# Altium PCB Flow_Pump.PcbDoc (part 2 of 5)
Units mm, origin at the board's own origin, x right, y up, seen from the top; angles counter-clockwise.
Board outline 203 x 203 mm, 2 copper layers (Top Layer, Bottom Layer); 250 components, 181 nets, 863 pads, 3284 vias.
Unrouted connection lines stored in the file: 1.
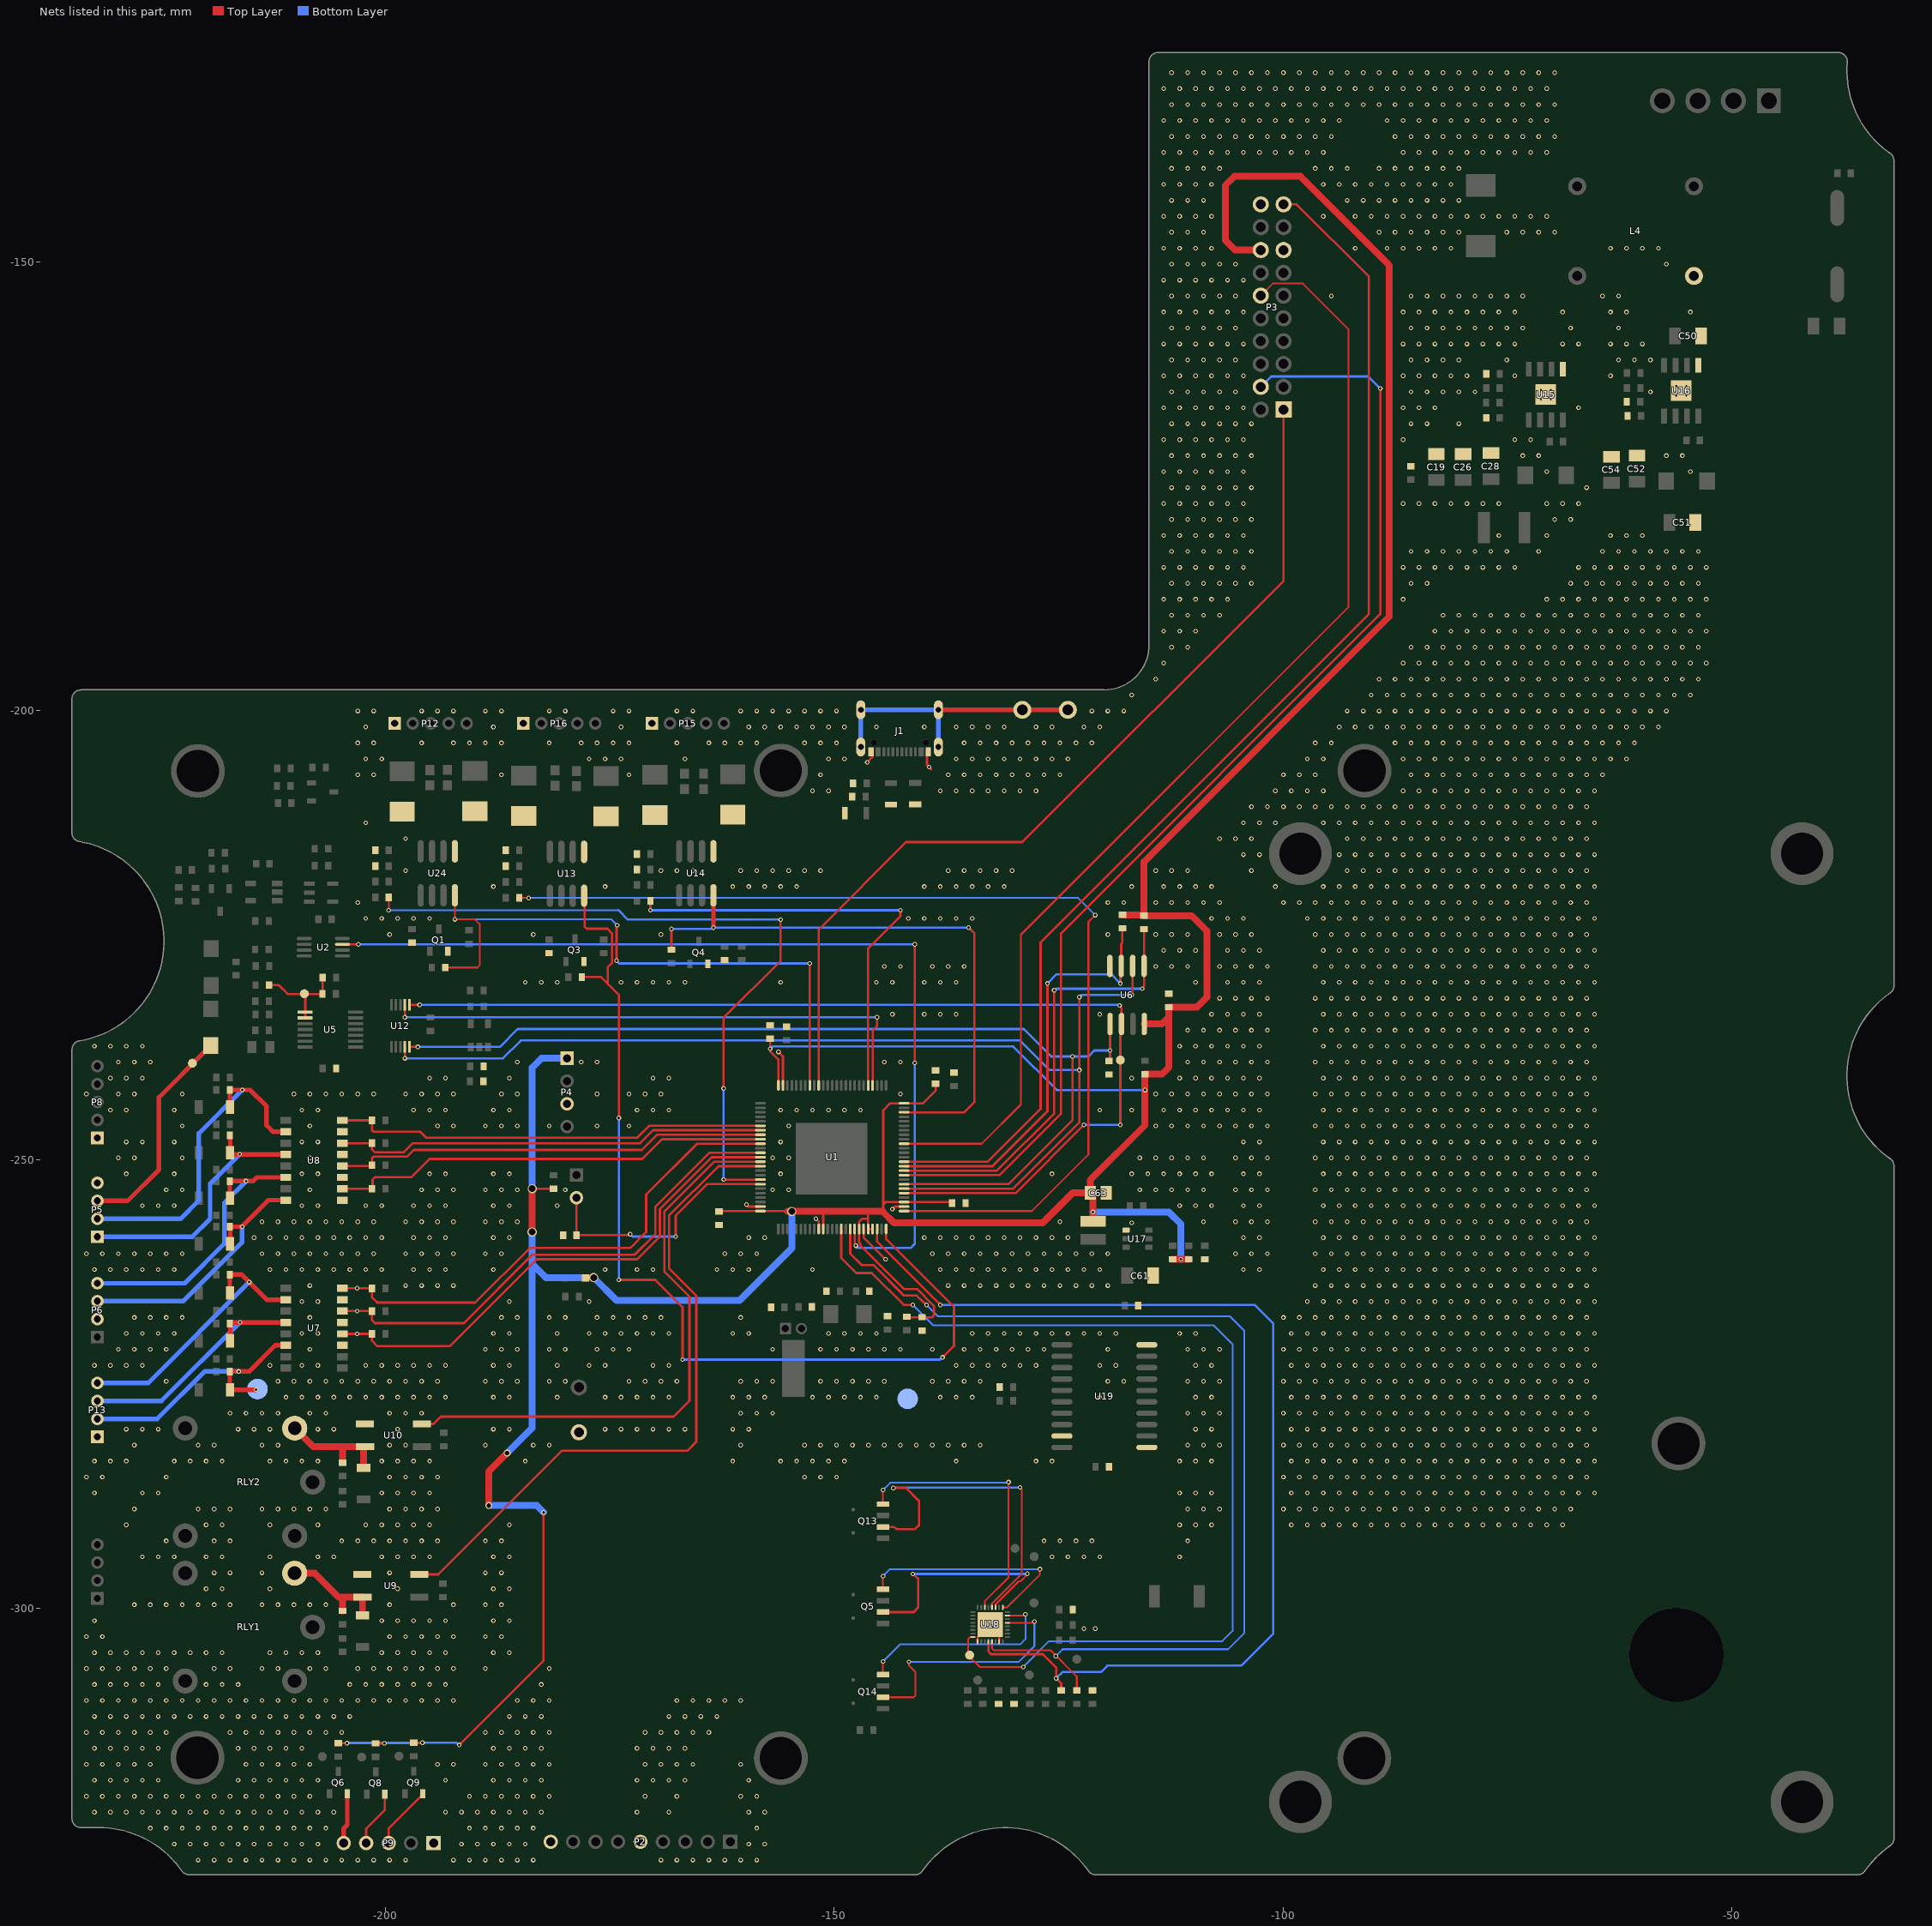
[diagram p2: the nets of this part, all layers, seen from the top]

## Via types
v1: diameter 0.508, hole 0.305, Top Layer to Bottom Layer, tented both sides, 3107 vias
v2: diameter 0.508, hole 0.305, Top Layer to Bottom Layer, 79 vias
v3: diameter 1.016, hole 0.508, Top Layer to Bottom Layer, tented both sides, 73 vias
v4: diameter 1.016, hole 0.762, Top Layer to Bottom Layer, 11 vias
v5: diameter 0.5, hole 0.2, Top Layer to Bottom Layer, 8 vias
v6: diameter 2.032, hole 1.524, Top Layer to Bottom Layer, 3 vias
v7: diameter 0.762, hole 0.508, Top Layer to Bottom Layer, tented both sides, 2 vias
v8: diameter 1.524, hole 1.016, Top Layer to Bottom Layer, 1 vias

## Nets (pads, with @x,y where several pads share a name; then routed paths per layer and width w, separated by ;. In a path a pad name is that pad's centre, name@x,y a point inside that pad or via, vN(x,y) a via of type N, cw(c..) or ccw(c..) an arc to the next point about the centre after c; other vN are vias at no path point) (continued)
+3.3v: C7.1 C8.2 C9.2 C10.2 C11.2 C22.2 C62.1 C63.1 D1.1 L3.2 P3.16 P4.1 R2.1 R10.1 R11.1 R24.1 R38.1 R39.1 R55.2 R69.1 R70.1 U1.11 U1.19 U1.21 U1.22 U1.28 U1.50 U1.75 U1.100 U6.8 | length 476.8
  Top Layer w0.254: R24.1@-205.232,-315.015 v2(-204.271,-315.015) ; R38.1@-201.067,-315.042 v2(-200.106,-315.042) ; R39.1@-196.825,-314.966 v2(-195.864,-314.966) ; v2(-191.77,-315.214) -182.372,-305.816 v1(-182.372,-289.306) ; v4(-183.641,-253.239) R2.1@-181.254,-253.239 ; C7.1@-162.814,-255.778 -162.779,-255.743 -158.219,-255.743 U1.100@-158.21,-255.734 -155.238,-255.734 ; C10.2@-157.124,-236.526 v1(-157.124,-237.648) -157.124,-237.929 -156.21,-238.843 U1.75@-156.21,-241.734 ; -151.252,-255.778 -151.21,-255.82 U1.11@-151.21,-257.734 ; -146.227,-255.778 -146.21,-255.795 -146.21,-256.748 ; U1.22@-145.71,-257.734 U1.21@-146.21,-257.734 -146.21,-256.748 ; -144.593,-255.778 -144.526,-255.711 -144.526,-255.016 ; R69.1@-141.91,-267.513 -141.853,-267.569 -139.085,-267.569 -138.877,-267.362 -138.877,-266.296 -140.76,-264.414 -142.24,-264.414 -147.066,-259.588 -147.066,-259.378 -147.21,-259.234 U1.19@-147.21,-257.734 -147.21,-256.914 -146.895,-256.599 -146.359,-256.599 -146.21,-256.748 ; C9.2@-138.684,-241.554 -138.684,-242.316 -140.102,-243.734 U1.50@-142.21,-243.734 -143.745,-243.734 -144.526,-244.515 -144.526,-255.016 ; C8.2@-136.855,-254.838 -136.96,-254.734 U1.28@-142.21,-254.734 -144.244,-254.734 -144.526,-255.016
  Top Layer w0.762: v7(-188.468,-288.544) -188.468,-284.734 v7(-186.436,-282.702) ; v4(-183.642,-258.064) v4@-183.641,-253.24 ; D1.1@-177.716,-263.195 -177.697,-263.176 -176.816,-263.176 v4(-176.784,-263.144) ; v4@-155.194,-255.778 -151.252,-255.778 -146.227,-255.778 -144.593,-255.778 -143.323,-257.048 -126.746,-257.048 -123.402,-253.704 C63.1@-121.444,-253.704 -121.444,-252.254 -115.367,-246.177 R11.1@-115.367,-240.489 -113.489,-240.489 -112.725,-239.725 -112.725,-234.137 ; L3.2@-121.153,-256.895 C63.1@-121.153,-254.12 ; R70.1@-117.881,-222.731 -115.583,-222.731 -115.481,-222.833 R10.1@-115.468,-222.833 -115.468,-216.814 -88.138,-189.484 -88.138,-150.368 -98.044,-140.462 -105.41,-140.462 -106.426,-141.478 -106.426,-147.574 -105.334,-148.666 P3.16@-102.464,-148.666 ; R10.1@-115.455,-222.833 -110.161,-222.833 -109.728,-223.266 -108.458,-224.536 -108.458,-231.902 -109.577,-233.021 C22.2@-112.725,-233.021 -112.725,-234.137 ; U6.8@-115.443,-234.896 -113.484,-234.896 -112.725,-234.137 ; C62.1@-112.268,-261.112 v2(-111.379,-261.112) R55.2@-110.49,-261.112
  Bottom Layer w0.254: v2(-204.271,-315.015) -204.247,-314.991 -195.889,-314.991 v2(-195.864,-314.966) -192.087,-314.966 -191.839,-315.214 v2(-191.77,-315.214) ; v1(-157.124,-237.648) -157.091,-237.648 -156.849,-237.405 -130.037,-237.405 -125.194,-242.248 v1(-115.367,-242.248)
  Bottom Layer w0.762: v7(-188.468,-288.544) -183.134,-288.544 v1(-182.372,-289.306) ; v7(-186.436,-282.702) -183.642,-279.908 -183.642,-261.62 ; v4(-183.642,-258.064) -183.642,-261.62 ; v4@-183.642,-253.238 -183.642,-239.776 -182.575,-238.709 P4.1@-179.756,-238.709 ; v4(-154.708,-255.778) -154.708,-259.864 -160.528,-265.684 -174.244,-265.684 v4(-176.784,-263.144) -182.118,-263.144 -183.642,-261.62 ; v2(-121.153,-255.841) -113.347,-255.841 -113.346,-255.84 -112.714,-255.84 -111.379,-257.175 v2(-111.379,-261.112)
Adc_input: C23.2 C24.1 R21.2 T8.1 U5.1 U5.2 | length 11
  Top Layer w0.254: C23.2@-212.954,-230.559 -211.858,-230.559 -210.871,-231.546 T8.1@-208.686,-231.546 ; U5.2@-208.924,-234.209 U5.1@-208.924,-233.559 -208.924,-231.784 T8.1@-208.686,-231.546 ; R21.2@-206.985,-229.718 -206.985,-231.521 C24.1@-207.01,-231.546 T8.1@-208.686,-231.546
AI0: D6.1 P5.3 T7.1 | length 24.5
  Top Layer w0.508: P5.3@-232.08,-254.6 -228.717,-254.6 -225.222,-251.104 -225.222,-243.071 -220.127,-237.976 -220.052,-237.976 -219.456,-237.38 D6.1@-219.456,-237.305
BL: P3.4 U1.34 | length 130.2
  Top Layer w0.254: U1.34@-142.21,-251.734 -131.592,-251.734 -124.714,-244.856 -124.714,-224.79 -89.154,-189.23 v2(-89.154,-164.084)
  Bottom Layer w0.254: P3.4@-102.464,-163.906 -101.31,-162.752 -90.486,-162.752 v2(-89.154,-164.084)
BOOT0: P1.2 R3.1 U1.94 | length 28.6
  Top Layer w0.254: P1.2@-178.714,-254.254 -178.702,-254.267 -178.702,-258.406 R3.1@-178.689,-258.418 -172.889,-258.418 -172.789,-258.318 v2(-172.72,-258.318) ; v2(-167.64,-258.576) -167.64,-256.23 -164.143,-252.734 U1.94@-158.21,-252.734
  Bottom Layer w0.254: v2(-172.72,-258.318) -172.462,-258.576 v2(-167.64,-258.576)
CS: P3.1 U1.66 | length 104.3
  Top Layer w0.254: U1.66@-151.71,-241.734 -151.71,-224.354 -141.986,-214.63 -129.032,-214.63 -99.924,-185.522 P3.1@-99.924,-166.446
DC: P3.19 U1.37 | length 138.3
  Top Layer w0.254: U1.37@-142.21,-250.234 -132.886,-250.234 -127,-244.348 -127,-225.806 -90.424,-189.23 -90.424,-151.638 -98.476,-143.586 P3.19@-99.924,-143.586
DI_0: C31.2 D9.1 P5.2 U8.2 | length 37.8
  Top Layer w0.508: D9.1@-217.284,-244.145 -217.332,-244.097 C31.2@-217.332,-242.24 -215.062,-242.24 -213.233,-244.069 -213.233,-246.177 -212.508,-246.902 U8.2@-211.093,-246.902
  Bottom Layer w0.508: P5.2@-232.08,-256.6 -222.818,-256.6 -220.784,-254.566 -220.784,-247.098 v2(-215.925,-242.24)
DI_1: C33.2 D11.1 P5.1 U8.4 | length 30.2
  Top Layer w0.508: C33.2@-217.332,-247.32 -217.284,-247.368 D11.1@-217.284,-249.225 -217.284,-249.246 -217.088,-249.442 U8.4@-211.093,-249.442
  Bottom Layer w0.508: P5.1@-232.08,-258.6 -221.516,-258.6 -219.514,-256.598 -219.514,-252.687 v1(-216.23,-249.403)
DI_2: C35.2 D13.1 P6.4 U8.6 | length 32.3
  Top Layer w0.508: D13.1@-217.284,-254.305 -217.332,-254.257 C35.2@-217.332,-252.4 -214.732,-252.4 -214.314,-251.982 U8.6@-211.093,-251.982
  Bottom Layer w0.508: P6.4@-232.08,-263.776 -222.35,-263.776 -217.924,-259.35 -217.924,-254.805 v1(-215.519,-252.4)
DI_3: C37.2 D15.1 P6.3 U8.8 | length 30
  Top Layer w0.508: D15.1@-217.284,-259.385 -217.284,-257.528 C37.2@-217.332,-257.48 -215.976,-257.48 -213.018,-254.522 U8.8@-211.093,-254.522
  Bottom Layer w0.508: P6.3@-232.08,-265.776 -222.52,-265.776 -215.951,-259.207 v1(-215.951,-257.48)
DI_4: C36.2 D8.1 P13.4 U7.2 | length 31
  Top Layer w0.508: D8.1@-217.284,-264.846 -217.332,-264.798 C36.2@-217.332,-262.814 -216.002,-262.814 -213.208,-265.608 U7.2@-211.093,-265.608
  Bottom Layer w0.508: P13.4@-232.08,-274.888 -226.399,-274.888 v1(-215.163,-263.652)
DI_5: C34.2 D10.1 P13.3 U7.4 | length 27.8
  Top Layer w0.508: D10.1@-217.284,-270.18 -217.284,-268.323 C34.2@-217.332,-268.275 -217.332,-268.244 -217.236,-268.148 U7.4@-211.093,-268.148
  Bottom Layer w0.508: P13.3@-232.08,-276.888 -224.945,-276.888 v1(-216.179,-268.122)
DI_6: C32.2 D12.1 P13.2 U7.6 U28.1 | length 30.4
  Top Layer w0.508: v2@-214.376,-275.59 -214.427,-275.641 D12.1@-217.284,-275.641 -217.332,-275.593 C32.2@-217.332,-273.609 -215.163,-273.609 -212.242,-270.688 U7.6@-211.093,-270.688
  Bottom Layer w0.508: P13.2@-232.08,-278.888 -225.421,-278.888 -220.142,-273.609 v1(-216.332,-273.609)
  other v2: -214.401,-275.615
DI_IN0: R29.2 U1.81 U8.16 | length 48.6
  Top Layer w0.254: U8.16@-204.793,-245.632 -203.139,-245.632 R29.2@-201.484,-245.632 -201.484,-246.739 -201.335,-246.888 -196.141,-246.888 -195.463,-247.565 -171.951,-247.565 -170.62,-246.234 U1.81@-158.21,-246.234
DI_IN1: R33.2 U1.82 U8.14 | length 48.4
  Top Layer w0.254: U8.14@-204.793,-248.172 -203.139,-248.172 R33.2@-201.484,-248.172 -201.484,-248.858 -201.168,-249.174 -197.931,-249.174 -196.929,-248.172 -171.617,-248.172 -170.179,-246.734 U1.82@-158.21,-246.734
DI_IN2: R37.2 U1.83 U8.12 | length 48.5
  Top Layer w0.254: U8.12@-204.793,-250.712 -203.184,-250.712 -201.574,-250.712 R37.2@-201.484,-250.622 -201.484,-249.831 -201.335,-249.682 -197.581,-249.682 -196.819,-248.92 -171.419,-248.92 -169.733,-247.234 U1.83@-158.21,-247.234
DI_IN3: R41.2 U1.84 U8.10 | length 49.4
  Top Layer w0.254: U8.10@-204.793,-253.252 -203.139,-253.252 R41.2@-201.484,-253.252 -201.422,-253.19 -201.422,-252.222 -201.168,-251.968 -197.104,-251.968 -195.072,-249.936 -171.376,-249.936 -169.174,-247.734 U1.84@-158.21,-247.734
DI_IN4: R27.2 U1.85 U7.16 | length 57.6
  Top Layer w0.254: U7.16@-204.793,-264.338 v1(-203.139,-264.338) R27.2@-201.484,-264.338 -201.484,-265.368 -200.914,-265.938 -189.992,-265.938 -183.896,-259.842 -172.72,-259.842 -170.942,-258.064 -170.942,-253.915 -165.26,-248.234 U1.85@-158.21,-248.234
DI_IN5: R31.2 U1.87 U7.14 | length 57.4
  Top Layer w0.254: U7.14@-204.793,-266.878 v1(-203.139,-266.878) R31.2@-201.484,-266.878 -201.484,-267.908 -201.168,-268.224 -191.262,-268.224 -183.642,-260.604 -172.212,-260.604 -169.926,-258.318 -169.926,-255.27 -163.89,-249.234 U1.87@-158.21,-249.234
DI_IN6: R35.2 U1.88 U7.12 | length 58.1
  Top Layer w0.254: U7.12@-204.793,-269.418 v1(-203.14,-269.418) R35.2@-201.486,-269.418 -201.486,-270.192 -200.893,-270.785 -192.807,-270.785 -183.134,-261.112 -171.958,-261.112 -169.418,-258.572 -169.418,-255.524 -163.628,-249.734 U1.88@-158.21,-249.734
DIN_AO: U1.18 U2.7 | length 105.9
  Top Layer w0.254: U2.7@-204.777,-226.015 v1(-202.991,-226.015) ; U1.18@-147.71,-257.734 -147.71,-259.383 -147.574,-259.519 v2(-147.574,-259.588) ; v2(-141.015,-239.223) v2(-141.015,-226.015)
  Bottom Layer w0.254: v1(-202.991,-226.015) v2(-141.015,-226.015) ; v2(-147.574,-259.588) -147.32,-259.842 -141.478,-259.842 -141.015,-259.379 v2(-141.015,-239.223)
DIR: R57.1 U1.17 U18.29 | length 119
  Top Layer w0.203: U18.29@-132.413,-303.718 -132.413,-304.441 -132.182,-304.673 -125.882,-304.673 -122.956,-307.6 R57.1@-122.956,-309.142
  Top Layer w0.254: U1.17@-148.21,-257.734 -148.21,-260.476 -146.939,-261.747 -145.607,-261.747 -142.209,-265.145 -140.79,-265.145 -140.028,-265.907 -139.985,-265.907 v2(-139.7,-266.192)
  Bottom Layer w0.203: v2(-139.7,-266.192) -138.43,-267.462 -105.918,-267.462 -104.292,-269.088 -104.292,-302.728 -106.11,-304.546 -124.536,-304.546 v1(-125.298,-305.308)
DO0: C38.1 D16.1 RLY1.1 U9.4 | length 12.2
  Top Layer w0.762: RLY1.1@-210.1,-296.087 -207.874,-296.087 -205.212,-298.75 -204.749,-298.75 ; C38.1@-204.749,-300.279 -204.749,-298.75 ; D16.1@-202.54,-300.789 -202.54,-298.75 U9.4@-202.543,-298.75 -204.749,-298.75
DO1: C39.1 D17.1 RLY2.1 U10.4 | length 12.9
  Top Layer w0.762: RLY2.1@-210.089,-279.928 -208.026,-281.991 -204.622,-281.991 ; C39.1@-204.755,-283.764 -204.755,-282.123 -204.622,-281.991 ; D17.1@-202.413,-284.356 U10.4@-202.413,-281.991 ; U10.4@-202.26,-281.991 U10.4@-202.413,-281.991 ; -204.622,-281.991 U10.4@-202.413,-281.991
DO_ctrl_0: U1.90 U9.2 | length 75.9
  Top Layer w0.254: U9.2@-196.218,-296.21 -194.102,-296.21 -180.34,-282.448 -166.37,-282.448 -165.354,-281.432 -165.354,-265.176 -168.402,-262.128 -168.402,-256.248 -162.888,-250.734 U1.90@-158.21,-250.734
DO_ctrl_1: U1.89 U10.2 | length 66.1
  Top Layer w0.254: U10.2@-195.936,-279.451 -194.628,-279.451 -193.815,-278.638 -167.894,-278.638 -166.116,-276.86 -166.116,-265.264 -168.91,-262.47 -168.91,-255.778 -163.366,-250.234 U1.89@-158.21,-250.234
EA: P9.5 Q6.2 | length 5.6
  Top Layer w0.508: P9.5@-204.633,-326.145 -204.633,-324.496 -204.232,-324.095 Q6.2@-204.232,-320.666
EARTH: J1.1 P2.9 P14.1 P14.2 | length 31.4
  Top Layer w0.508: J1.1@-138.38,-199.888 -138.376,-199.893 -123.957,-199.893 P14.1@-123.952,-199.898
  Bottom Layer w0.508: J1.1@-147.02,-204.038 J1.1@-147.02,-199.888 J1.1@-138.38,-199.888 J1.1@-138.38,-204.038
EB: P9.4 Q8.2 | length 6.3
  Top Layer w0.254: P9.4@-202.133,-326.145 -202.133,-324.536 -200.067,-322.469 Q8.2@-200.067,-320.717
ENABLE: T3.1 U1.15 U18.24 | length 116.9
  Top Layer w0.203: U18.24@-134.531,-303.201 -134.85,-303.201 -135.077,-303.428 -135.077,-305.206 -133.756,-306.527 v1(-128.925,-306.527)
  Top Layer w0.254: U1.15@-149.21,-257.734 -149.21,-260.969 -147.542,-262.637 -145.795,-262.637 -142.24,-266.192 v2(-141.224,-266.192)
  Bottom Layer w0.203: v2(-141.224,-266.192) -138.938,-268.478 -107.696,-268.478 -105.613,-270.561 -105.613,-302.514 -106.756,-303.657 -126.055,-303.657 v1(-128.925,-306.527)
EXTPROC_RX: R76.2 U1.93 | length 81.2
  Top Layer w0.203: v1(-199.619,-222.225) R76.2@-199.619,-220.777
  Top Layer w0.254: v2(-162.306,-252.222) -162.294,-252.234 U1.93@-158.21,-252.234 ; v2(-162.306,-242.062) -162.306,-234.188 -155.956,-227.838 v2(-155.956,-223.266)
  Bottom Layer w0.203: v1(-199.619,-222.225) -174.015,-222.225
  Bottom Layer w0.254: -174.015,-222.225 -172.974,-223.266 v2(-155.956,-223.266) ; v2(-162.306,-252.222) v2(-162.306,-242.062)
EXTPROC_RX2: R18.2 U1.26 | length 115.1
  Top Layer w0.203: R18.2@-185.088,-220.853 v1(-184.023,-220.853) ; U1.26@-142.21,-255.734 -127.972,-255.734 -121.666,-249.428 -121.666,-223.52 v1(-120.904,-222.758)
  Bottom Layer w0.203: v1(-184.023,-220.853) -122.809,-220.853 v1(-120.904,-222.758)
EXTPROC_RX3: R46.2 U1.55 | length 49.9
  Top Layer w0.254: v1(-170.458,-222.226) R46.2@-170.458,-221.158 ; U1.55@-146.21,-241.734 -146.21,-226.474 -142.62,-222.884 v1(-142.62,-222.226)
  Bottom Layer w0.254: v1(-170.458,-222.226) v1(-142.62,-222.226)
EXTPROC_SPI2_ADC_CS3: U1.54 U12.2 | length 61.8
  Top Layer w0.254: v2(-197.823,-234.145) U12.2@-197.823,-232.752 ; U1.54@-145.71,-241.734 -145.71,-235.626 -145.21,-235.126 v2(-145.21,-234.145)
  Bottom Layer w0.254: v2(-197.823,-234.145) v2(-145.21,-234.145)
EXTPROC_SPI2_MISO: U1.31 U6.2 U12.9 | length 124.4
  Top Layer w0.254: v2(-197.823,-238.717) U12.9@-197.823,-237.452 ; U1.31@-142.21,-253.234 -130.044,-253.234 -122.682,-245.872 v1(-122.682,-231.902) ; v2(-116.84,-231.648) -116.84,-231.579 -116.738,-231.478 U6.2@-116.738,-228.425
  Bottom Layer w0.254: v2(-197.823,-238.717) -186.901,-238.717 -184.912,-236.728 -129.286,-236.728 -125.984,-240.03 v2(-122.685,-240.03) ; v1(-122.682,-231.902) -122.66,-231.902 -122.406,-231.648 v2(-116.84,-231.648)
EXTPROC_SPI2_MOSI: R71.1 U1.32 U6.5 U12.10 | length 113.4
  Top Layer w0.254: U12.10@-197.323,-237.452 v2(-196.38,-237.452) ; U1.32@-142.21,-252.734 -130.56,-252.734 -123.444,-245.618 v1(-123.444,-238.506) ; R71.1@-119.38,-239.014 -119.253,-238.887 v1(-119.253,-237.85) U6.5@-119.253,-234.896
  Bottom Layer w0.254: v2(-196.38,-237.452) -187.245,-237.452 -185.251,-235.458 -128.871,-235.458 -125.823,-238.506 v1(-123.444,-238.506) -121.666,-238.506 -121.01,-237.85 v1(-119.253,-237.85)
EXTPROC_SPI2_SCLK: FLASH_SCLK1.1 U1.30 U6.6 U12.1 | length 120
  Top Layer w0.254: U12.1@-197.323,-232.752 v2(-196.176,-232.752) ; U1.30@-142.21,-253.734 -129.782,-253.734 v1(-122.174,-246.126) ; v2(-118.193,-232.835) -118.193,-232.904 -117.983,-233.114 U6.6@-117.983,-234.896 -118.049,-234.963 -118.049,-236.107 -118.11,-236.168 v1(-118.11,-246.126)
  Bottom Layer w0.254: v2(-196.176,-232.752) -118.276,-232.752 v2(-118.193,-232.835) v2@-118.11,-232.918 ; v1(-122.174,-246.126) v1(-118.11,-246.126)
EXTPROC_TX: R5.1 U1.68 U24.4 | length 71.8
  Top Layer w0.203: R5.1@-193.319,-228.6 -189.738,-228.6 -189.484,-228.346 -189.484,-223.774 -190.017,-223.241 v1(-192.253,-223.241) U24.4@-192.253,-220.56
  Top Layer w0.254: v2(-174.244,-227.838) -174.244,-224.046 -174.16,-223.962 v1(-174.16,-223.893) ; U1.68@-152.71,-241.734 v2(-152.71,-228.148)
  Bottom Layer w0.203: v1(-192.253,-223.241) -174.813,-223.241 v1(-174.16,-223.893)
  Bottom Layer w0.254: v2(-174.244,-227.838) -173.934,-228.148 v2(-152.71,-228.148)
EXTPROC_TX2: R47.1 U1.25 U13.4 | length 110.6
  Top Layer w0.254: R47.1@-178.105,-229.667 -175.971,-229.667 -175.205,-230.433 ; U13.4@-177.851,-220.611 -177.8,-220.661 -177.8,-224.028 -177.546,-224.282 -175.26,-224.282 -174.752,-224.79 -174.752,-228.092 -175.205,-228.545 -175.205,-230.433 ; v2(-173.99,-263.398) -169.926,-263.398 -166.878,-266.446 v2(-166.878,-272.288) ; v2(-173.99,-245.364) -173.99,-231.648 -175.205,-230.433 ; U1.25@-144.21,-257.734 -144.21,-258.857 -136.652,-266.415 -136.652,-270.764 v2(-137.922,-272.034)
  Bottom Layer w0.254: v2(-173.99,-263.398) v2(-173.99,-245.364) ; v2(-166.878,-272.288) -138.176,-272.288 v2(-137.922,-272.034)
EXTPROC_TX3: R48.1 U1.48 U14.4 | length 66.8
  Top Layer w0.254: R48.1@-168.123,-226.617 v1(-168.123,-224.307) ; U1.48@-142.21,-244.734 -135.514,-244.734 -134.366,-243.586 -134.366,-224.814 v1(-135.025,-224.155)
  Top Layer w0.508: v1(-163.449,-224.155) U14.4@-163.449,-220.56
  Bottom Layer w0.254: v1(-168.123,-224.307) -163.67,-224.307 ; v1(-163.449,-224.155) v1(-135.025,-224.155)
EZ: P9.3 Q9.2 | length 7.1
  Top Layer w0.254: P9.3@-199.633,-326.145 -199.633,-324.55 -196.097,-321.014 -195.998,-321.014 -195.825,-320.841 Q9.2@-195.825,-320.641
FAULT: P3.12 U1.41 | length 128.7
  Top Layer w0.203: U1.41@-142.21,-248.234 -133.569,-248.234 -129.192,-243.857 -129.192,-224.95 -92.71,-188.468 -92.71,-157.48 -97.79,-152.4 -101.117,-152.4 P3.12@-102.464,-153.746
FLASH_nCS1: R10.2 U1.35 U6.1 | length 49.8
  Top Layer w0.254: U1.35@-142.21,-251.234 -131.854,-251.234 -125.476,-244.856 v1(-125.476,-231.14) ; v1(-115.669,-230.963) -115.669,-230.894 -115.468,-230.693 U6.1@-115.468,-228.425 R10.2@-115.468,-224.333
  Bottom Layer w0.254: v1(-125.476,-231.14) -125.407,-231.14 -125.23,-230.963 v1(-115.669,-230.963) v1@-115.527,-230.963
FLASH_nW: R70.2 U1.36 U6.3 | length 47.9
  Top Layer w0.254: U1.36@-142.21,-250.734 -132.37,-250.734 -126.238,-244.602 v1(-126.238,-230.378) ; v1(-118.11,-230.378) -118.11,-229.697 -118.075,-229.661 -118.075,-228.491 U6.3@-118.008,-228.425 -118.008,-225.958 -117.881,-225.831 R70.2@-117.881,-224.231
  Bottom Layer w0.254: v1(-126.238,-230.378) -125.222,-229.362 -119.126,-229.362 v1(-118.11,-230.378)
FOUT: R58.1 U1.23 U18.28 | length 122.3
  Top Layer w0.254: U1.23@-145.21,-257.734 -145.21,-259.158 v1(-138.176,-266.192) ; U18.28@-132.813,-303.718 -132.813,-304.803 -132.512,-305.105 -126.746,-305.105 -125.262,-306.589 v1(-125.262,-307.797) -124.703,-308.356 R58.1@-124.703,-309.142
  Bottom Layer w0.254: v1(-138.176,-266.192) -103.145,-266.192 -101.092,-268.245 -101.092,-302.844 -104.623,-306.375 -119.556,-306.375 -120.268,-307.086 -124.55,-307.086 v1(-125.262,-307.797)
GHA: Q14.2 U18.5 | length 28.2
  Top Layer w0.203: Q14.2@-144.559,-309.901 -141.15,-309.901 -140.945,-309.695 -140.945,-307.068 -141.656,-306.356 v1(-141.656,-305.968) ; U18.5@-130.696,-301.601 -127.897,-301.601 -127.768,-301.473 v1(-127.686,-301.473)
  Bottom Layer w0.203: v1(-141.656,-305.968) -129.464,-305.968 -127.686,-304.19 v1(-127.686,-301.473)
GHB: Q5.2 U18.11 | length 26.3
  Top Layer w0.203: U18.11@-132.013,-299.883 -132.013,-299.562 -129.426,-296.974 -129.207,-296.974 -128.532,-296.299 -128.532,-296.197 v1(-128.473,-296.139)
  Top Layer w0.254: Q5.2@-144.559,-300.414 -141.114,-300.414 -140.919,-300.219 -140.919,-300.177 -140.64,-299.898 -140.64,-296.672 -141.021,-296.291 -141.028,-296.291 -141.155,-296.164 v1(-141.224,-296.164)
  Bottom Layer w0.254: v1(-141.224,-296.164) v1@-128.473,-296.164
GHC: Q13.2 U18.12 | length 39.4
  Top Layer w0.203: U18.12@-132.413,-299.883 -132.413,-299.469 -129.108,-296.164 -129.108,-286.772 -129.286,-286.594 v1(-129.286,-286.512)
  Top Layer w0.254: Q13.2@-144.559,-290.927 -143.311,-290.927 -143.068,-291.171 -141.006,-291.171 -140.538,-290.703 -140.538,-288.036 -141.986,-286.588 v1(-143.408,-286.588)
  Bottom Layer w0.254: v1(-143.408,-286.588) -143.37,-286.55 -129.324,-286.55 v1(-129.286,-286.512)
GLA: Q14.4 U18.7 | length 23.2
  Top Layer w0.203: Q14.4@-144.559,-307.361 v1(-144.559,-305.91) ; U18.7@-130.696,-300.801 -128.9,-300.801 -128.766,-300.667 v1(-128.683,-300.667)
  Bottom Layer w0.203: v1(-144.559,-305.91) -142.662,-304.013 -129.28,-304.013 -128.683,-303.416 v1(-128.683,-300.667)
GLB: Q5.4 U18.9 | length 25.5
  Top Layer w0.203: Q5.4@-144.559,-297.874 v1(-144.559,-296.41) ; U18.9@-131.213,-299.883 -130.717,-299.883 -128.468,-297.634 -128.461,-297.634 -127.076,-296.25 v1(-127.076,-295.631)
  Bottom Layer w0.203: v1(-144.559,-296.41) -143.779,-295.631 v1(-127.076,-295.631)
GLC: Q13.4 U18.14 | length 30.8
  Top Layer w0.203: Q13.4@-144.559,-288.387 v1(-144.559,-286.809) ; U18.14@-133.213,-299.883 -133.213,-299.202 -130.581,-296.57 -130.581,-285.953 v1(-130.564,-285.935)
  Bottom Layer w0.203: v1(-144.559,-286.809) -143.754,-286.004 v1@-130.715,-286.004
GND: C1.2 C2.2 C3.1 C4.1 C5.2 C6.2 C7.2 C8.1 C9.1 C10.1 C11.1 C14.2 C15.2 C16.2 C17.2 C19.2 C20.1 C21.1 C22.1 C26.2 C28.2 C41.2 C43.2 C47.2 C48.1 C50.2 C51.2 C52.2 C53.2 C54.2 C56.2 C57.2 C60.2 C61.2 C63.2 C66.2 C67.2 C68.2 C72.2 C73.2 D2.1 D3.1 D4.1 D5.1 D14.1 D18.1 D19.1 D20.1 D21.1 J1.A1 J1.A12 J1.B1 J1.B12 L4.3 P2.5 P3.15 P3.20 P4.3 P5.4 P6.2 P8.1 P9.1 P12.1 P13.1 P15.1 P16.1 Q1.2 Q3.2 Q4.2 R3.2 R25.1 R49.1 R50.1 R52.1 R54.1 R56.1 R62.2 R67.2 R68.2 R71.2 R77.1 U1.10 U1.20 U1.27 U1.74 U1.99 U6.4 U7.11 U7.13 U7.15 U8.9 U8.11 U8.13 U8.15 U9.3 U10.3 U13.5 U14.5 U15.1 U15.9 U16.1 U16.9 U17.1 U18.25 U18.31 U18.33 U19.1 U19.10 U19.19 U24.5 U29.1 | length 21.6
  Top Layer w0.254: v1(-159.766,-255.016) -159.548,-255.234 U1.99@-158.21,-255.234 ; v1(-156.21,-237.998) -155.71,-238.498 U1.74@-155.71,-241.734 ; v1(-152.022,-256.599) -151.71,-256.91 U1.10@-151.71,-257.734 ; U1.20@-146.71,-257.734 -146.71,-258.674 v1(-144.272,-261.112) ; v1(-146.304,-205.74) -145.75,-205.186 J1.B1@-145.75,-204.572 J1.A12@-146.05,-204.572 ; v1(-143.51,-255.524) -143.22,-255.234 U1.27@-142.21,-255.234 ; J1.B12@-139.35,-204.572 J1.A1@-139.65,-204.572 -139.65,-206.044 -139.192,-206.502 ; U18.25@-134.013,-303.718 -134.013,-303.374 -133.987,-303.347 -133.987,-303.174 v1(-132.613,-301.801) -131.613,-302.801 U18.31@-131.613,-303.718